# KiCad board tekskey-rounded-num.kicad_pcb
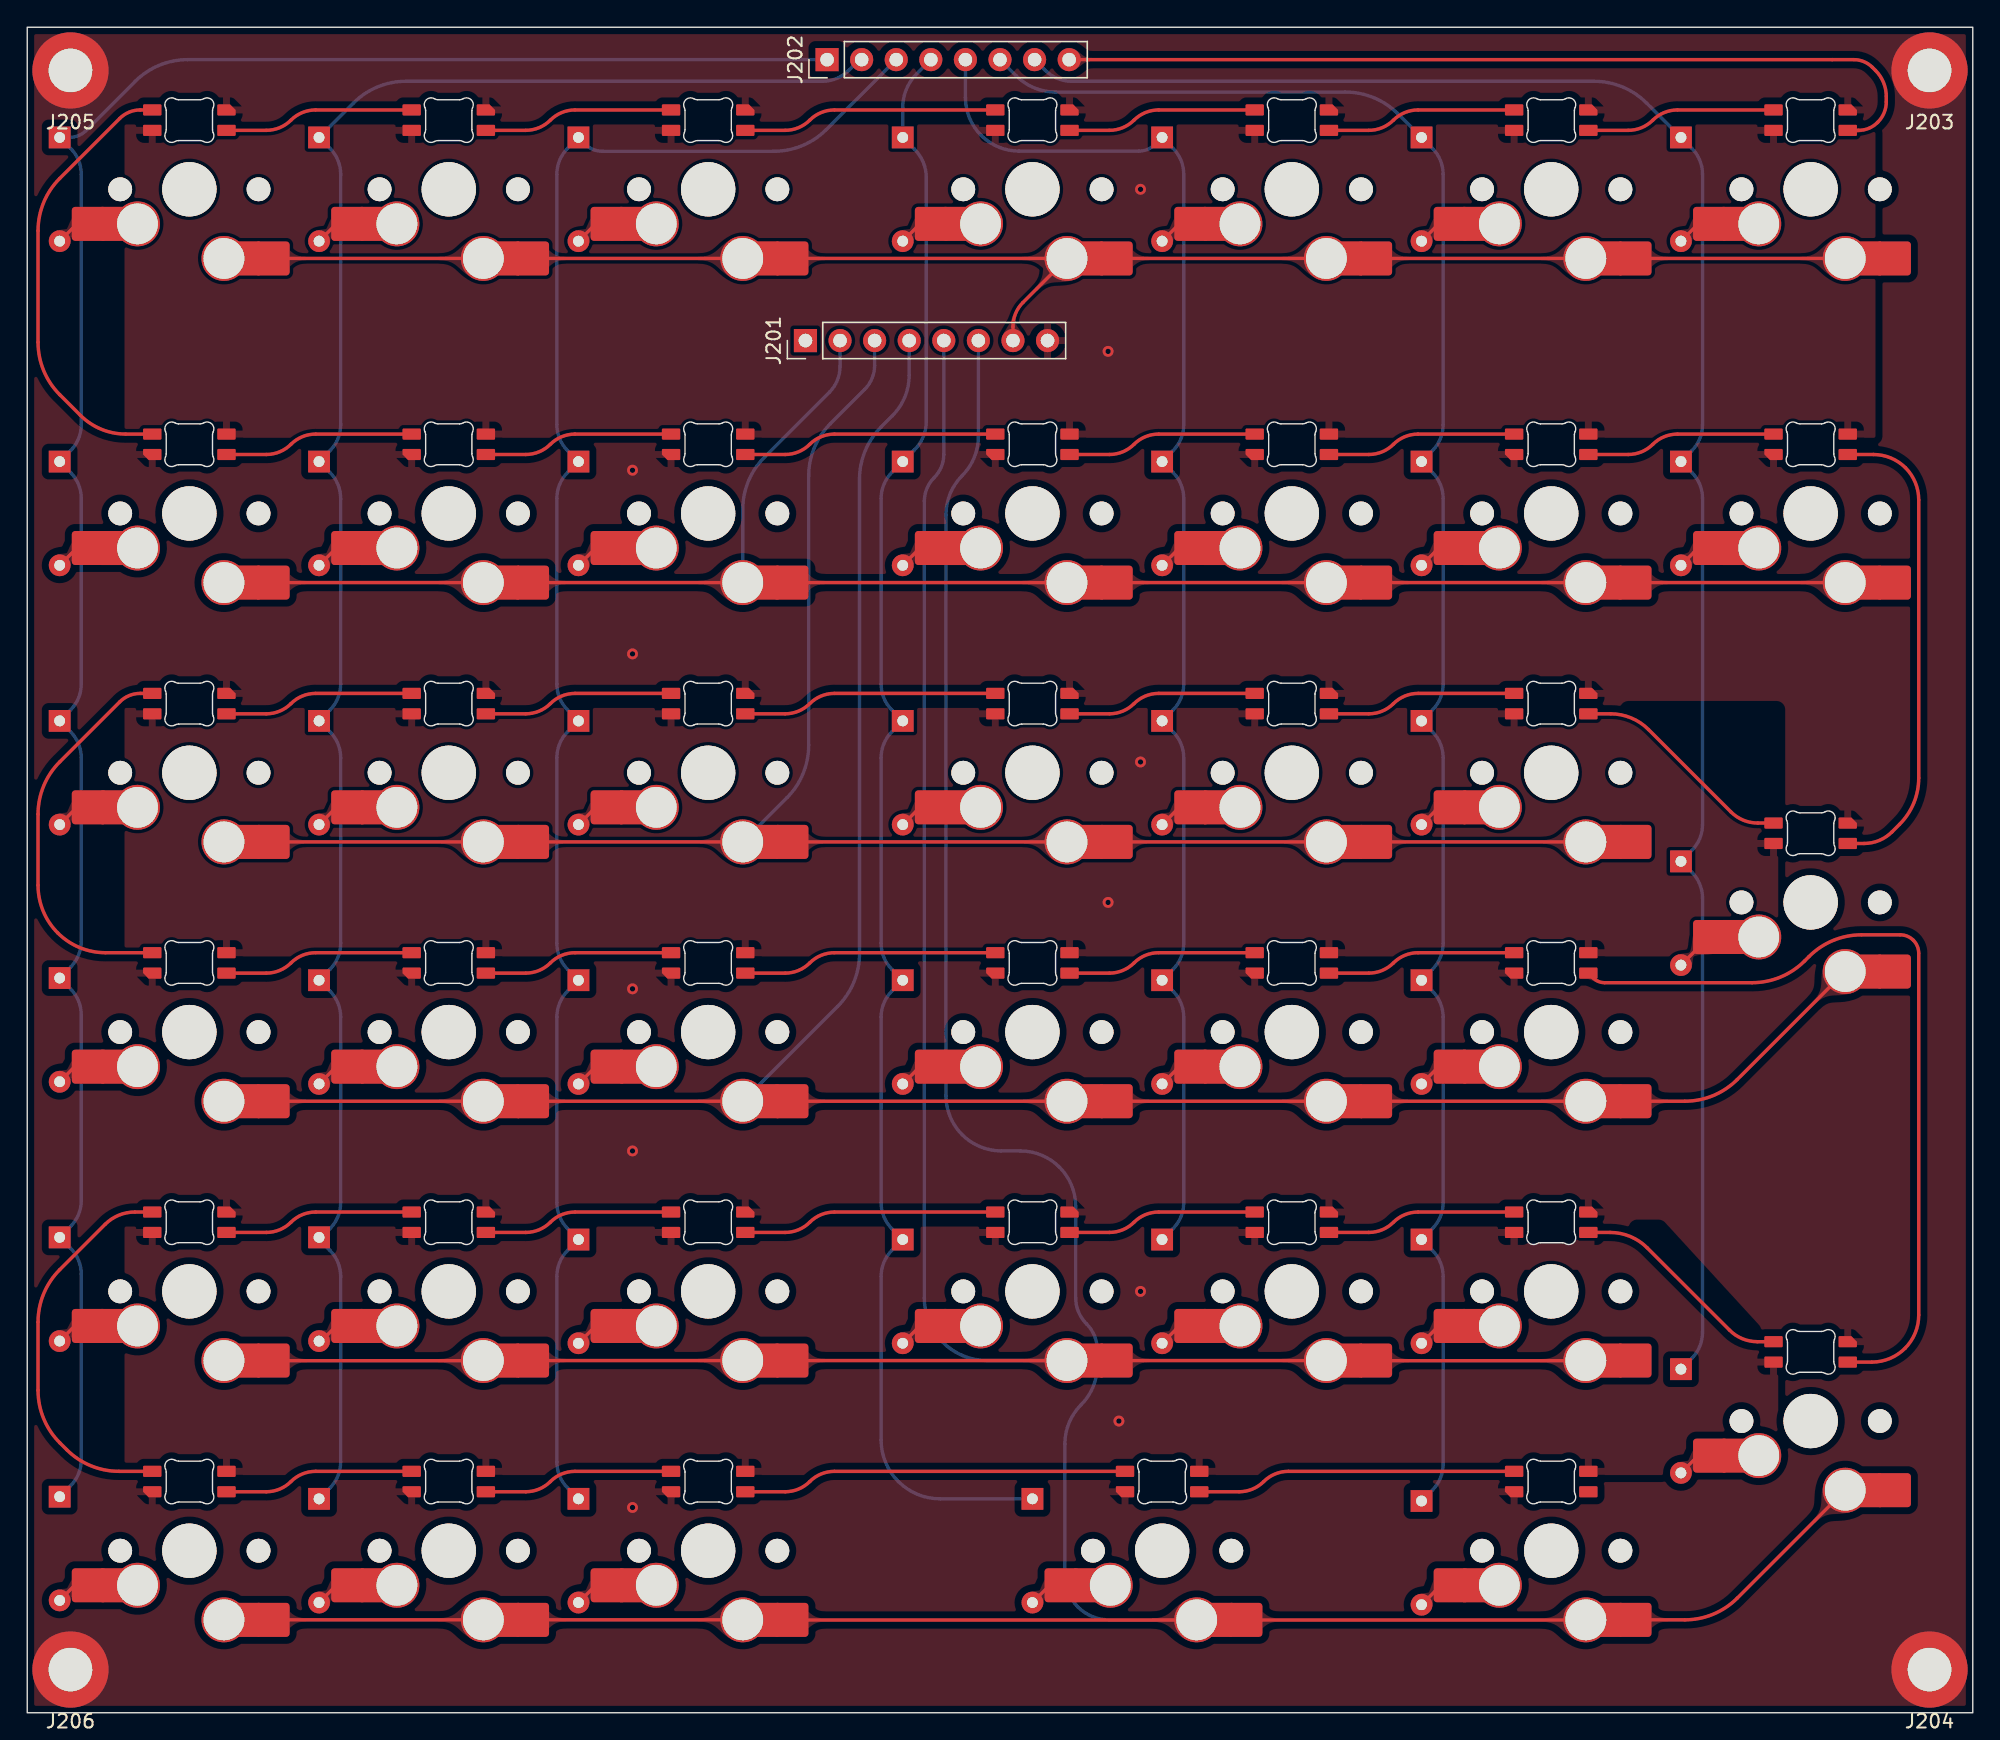
[diagram p0: board, top side]
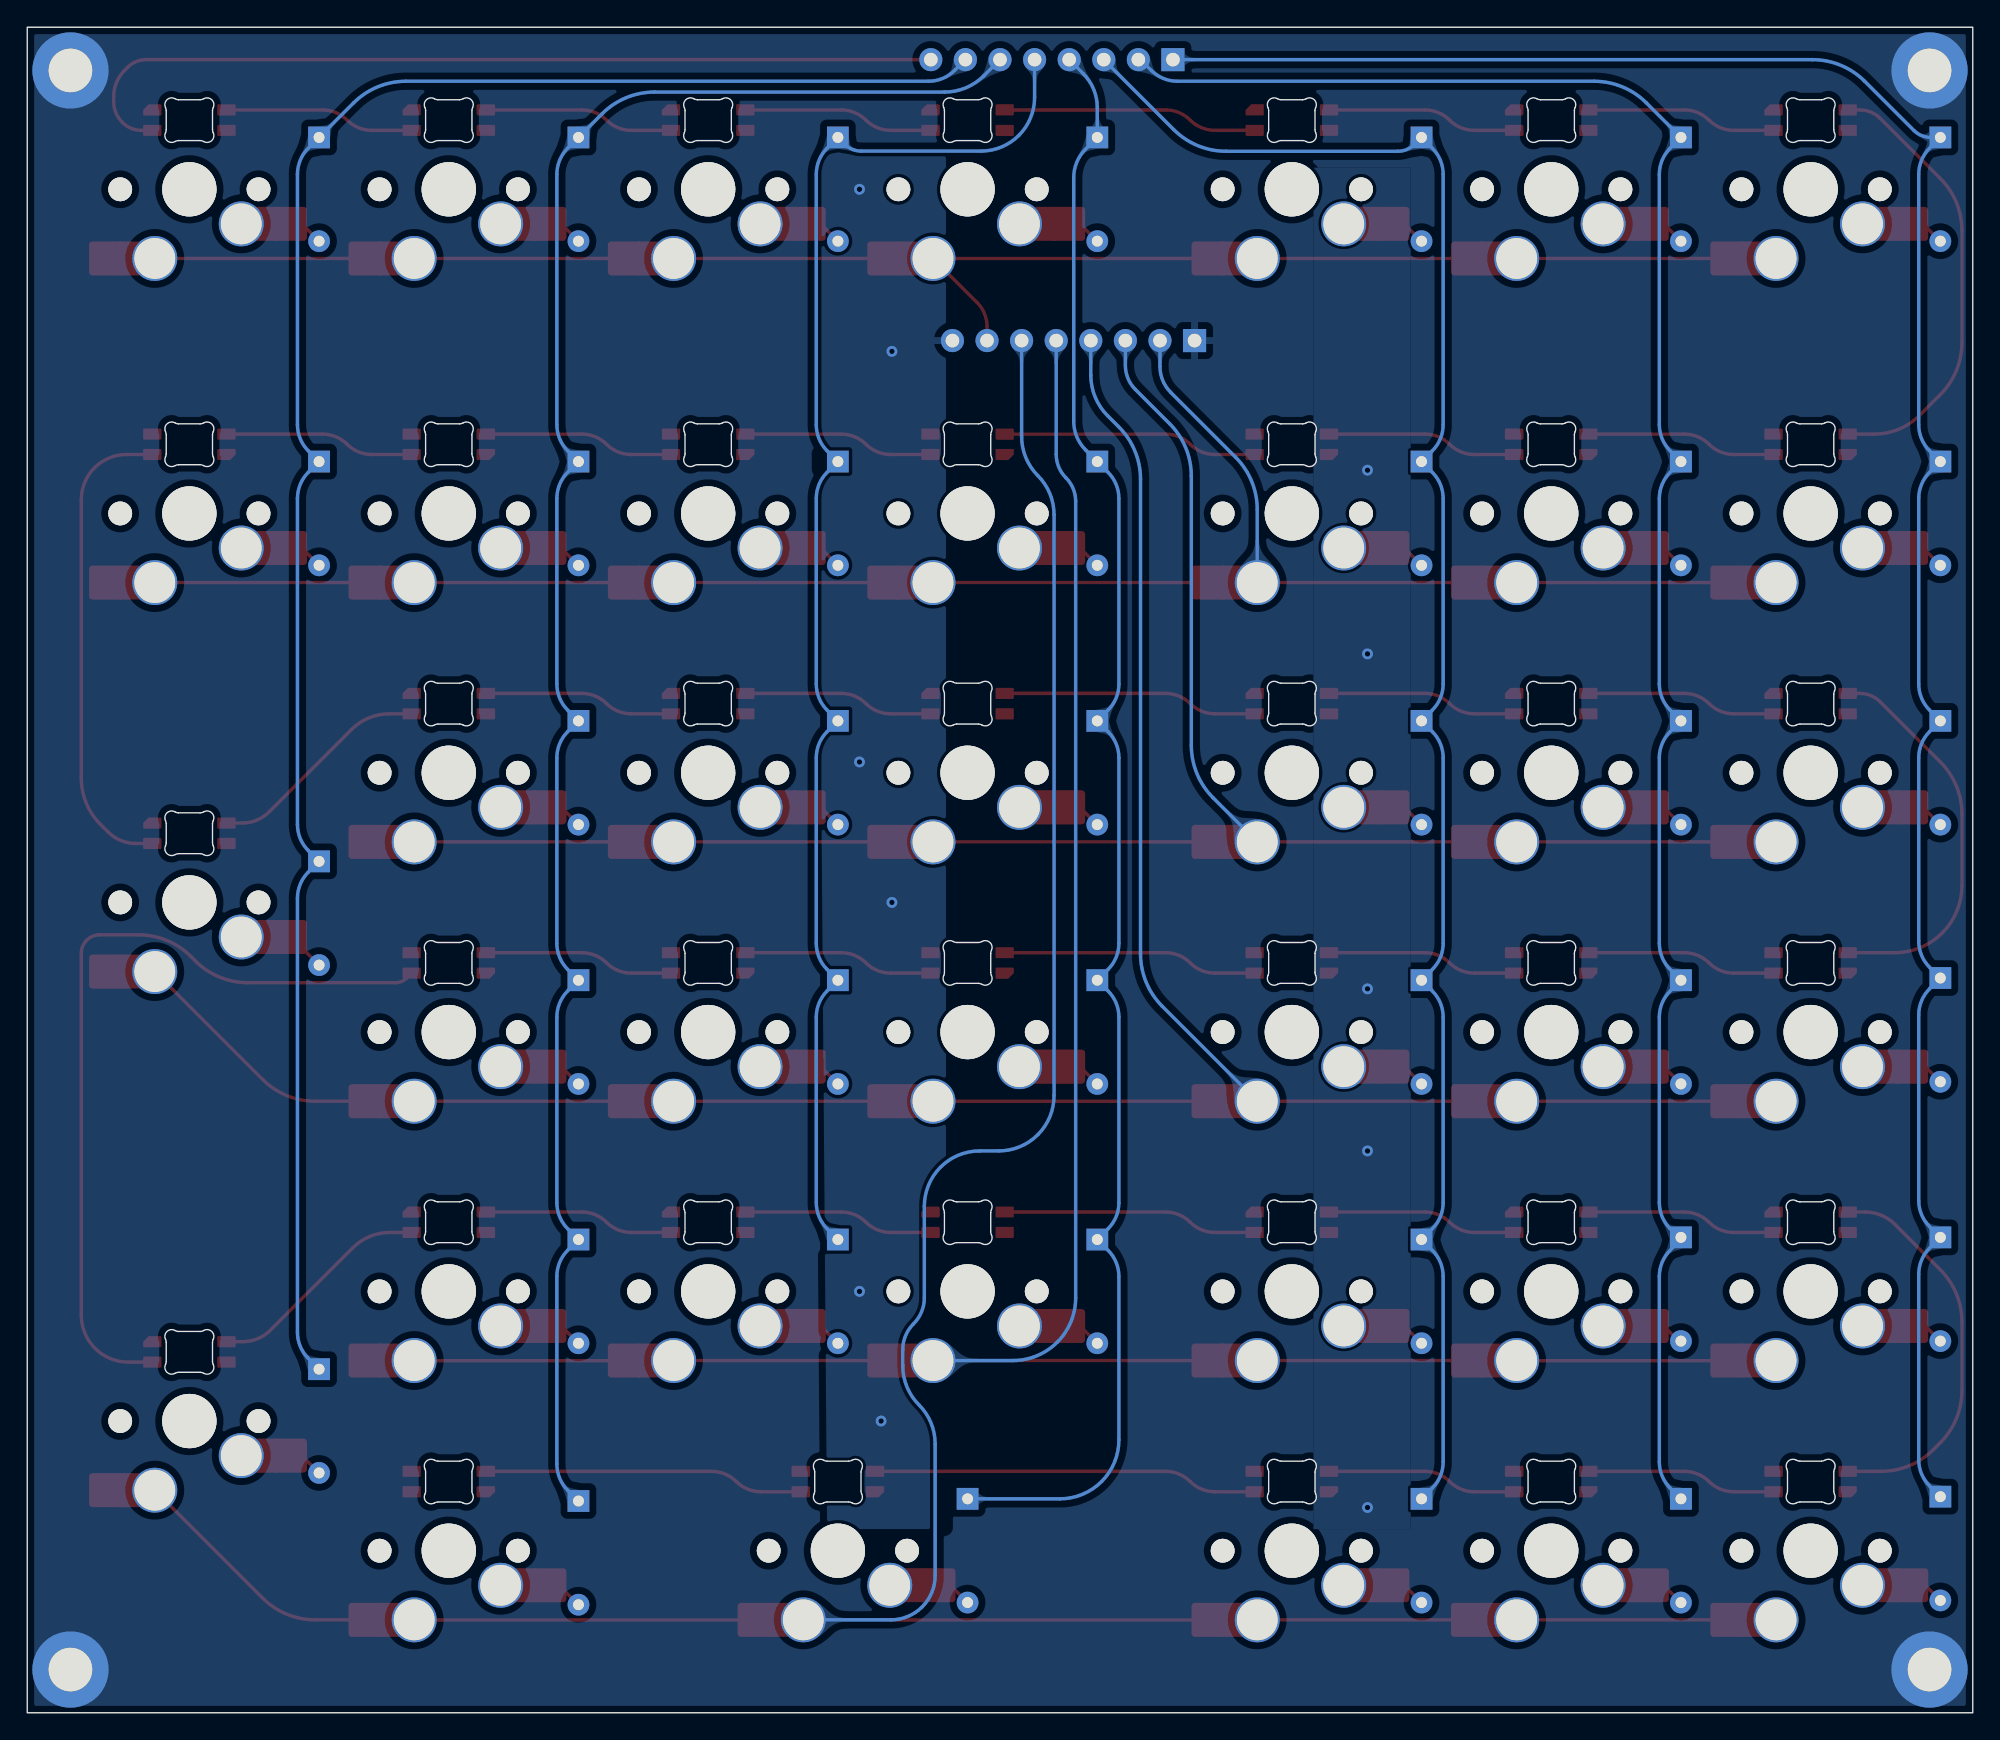
[diagram p1: board, bottom side, seen from below]

Outline 142.88 x 123.83 mm; copper layers: Top, Bottom. Coordinates in mm from the lower left corner of the outline.
Outline path: rectangle 0,123.83 142.88,0
Stack: Top 0.035mm / dielectric 1.51mm FR4 er 4.5 / Bottom 0.035mm

## Placement (name value [footprint] x y rotation side)
D201  1N4148  [D_DO-35_SOD27_P7.62mm_Horizontal_NoSilk]  2.38 115.73 270 top
D202  1N4148  [D_DO-35_SOD27_P7.62mm_Horizontal_NoSilk]  21.43 115.73 270 top
D203  1N4148  [D_DO-35_SOD27_P7.62mm_Horizontal_NoSilk]  40.48 115.73 270 top
D204  1N4148  [D_DO-35_SOD27_P7.62mm_Horizontal_NoSilk]  64.29 115.73 270 top
D205  1N4148  [D_DO-35_SOD27_P7.62mm_Horizontal_NoSilk]  83.34 115.73 270 top
D206  1N4148  [D_DO-35_SOD27_P7.62mm_Horizontal_NoSilk]  102.39 115.73 270 top
D207  1N4148  [D_DO-35_SOD27_P7.62mm_Horizontal_NoSilk]  121.44 115.73 270 top
D208  1N4148  [D_DO-35_SOD27_P7.62mm_Horizontal_NoSilk]  2.38 91.92 270 top
D209  1N4148  [D_DO-35_SOD27_P7.62mm_Horizontal_NoSilk]  21.43 91.92 270 top
D210  1N4148  [D_DO-35_SOD27_P7.62mm_Horizontal_NoSilk]  40.48 91.92 270 top
D211  1N4148  [D_DO-35_SOD27_P7.62mm_Horizontal_NoSilk]  64.29 91.92 270 top
D212  1N4148  [D_DO-35_SOD27_P7.62mm_Horizontal_NoSilk]  83.34 91.92 270 top
D213  1N4148  [D_DO-35_SOD27_P7.62mm_Horizontal_NoSilk]  102.39 91.92 270 top
D214  1N4148  [D_DO-35_SOD27_P7.62mm_Horizontal_NoSilk]  121.44 91.92 270 top
D215  1N4148  [D_DO-35_SOD27_P7.62mm_Horizontal_NoSilk]  2.38 72.87 270 top
D216  1N4148  [D_DO-35_SOD27_P7.62mm_Horizontal_NoSilk]  21.43 72.87 270 top
D217  1N4148  [D_DO-35_SOD27_P7.62mm_Horizontal_NoSilk]  40.48 72.87 270 top
D218  1N4148  [D_DO-35_SOD27_P7.62mm_Horizontal_NoSilk]  64.29 72.87 270 top
D219  1N4148  [D_DO-35_SOD27_P7.62mm_Horizontal_NoSilk]  83.34 72.87 270 top
D220  1N4148  [D_DO-35_SOD27_P7.62mm_Horizontal_NoSilk]  102.39 72.87 270 top
D221  1N4148  [D_DO-35_SOD27_P7.62mm_Horizontal_NoSilk]  121.44 62.55 270 top
D222  1N4148  [D_DO-35_SOD27_P7.62mm_Horizontal_NoSilk]  2.38 53.98 270 top
D223  1N4148  [D_DO-35_SOD27_P7.62mm_Horizontal_NoSilk]  21.43 53.82 270 top
D224  1N4148  [D_DO-35_SOD27_P7.62mm_Horizontal_NoSilk]  40.48 53.82 270 top
D225  1N4148  [D_DO-35_SOD27_P7.62mm_Horizontal_NoSilk]  64.29 53.82 270 top
D226  1N4148  [D_DO-35_SOD27_P7.62mm_Horizontal_NoSilk]  83.34 53.82 270 top
D227  1N4148  [D_DO-35_SOD27_P7.62mm_Horizontal_NoSilk]  102.39 53.82 270 top
D229  1N4148  [D_DO-35_SOD27_P7.62mm_Horizontal_NoSilk]  2.38 34.93 270 top
D230  1N4148  [D_DO-35_SOD27_P7.62mm_Horizontal_NoSilk]  21.43 34.93 270 top
D231  1N4148  [D_DO-35_SOD27_P7.62mm_Horizontal_NoSilk]  40.48 34.77 270 top
D232  1N4148  [D_DO-35_SOD27_P7.62mm_Horizontal_NoSilk]  64.29 34.77 270 top
D233  1N4148  [D_DO-35_SOD27_P7.62mm_Horizontal_NoSilk]  83.34 34.77 270 top
D234  1N4148  [D_DO-35_SOD27_P7.62mm_Horizontal_NoSilk]  102.39 34.77 270 top
D235  1N4148  [D_DO-35_SOD27_P7.62mm_Horizontal_NoSilk]  121.44 25.24 270 top
D236  1N4148  [D_DO-35_SOD27_P7.62mm_Horizontal_NoSilk]  2.38 15.88 270 top
D237  1N4148  [D_DO-35_SOD27_P7.62mm_Horizontal_NoSilk]  21.43 15.72 270 top
D238  1N4148  [D_DO-35_SOD27_P7.62mm_Horizontal_NoSilk]  40.48 15.72 270 top
D239  1N4148  [D_DO-35_SOD27_P7.62mm_Horizontal_NoSilk]  73.82 15.72 270 top
D241  1N4148  [D_DO-35_SOD27_P7.62mm_Horizontal_NoSilk]  102.39 15.56 270 top
J201  Conn_01x08  [PinHeader_1x08_P2.54mm_Vertical]  57.15 100.81 90 top
J202  Conn_01x08  [PinHeader_1x08_P2.54mm_Vertical]  58.74 121.44 90 top
J203  Conn_01x01_Male  [MountingHole_3.2mm_M3_DIN965_Pad]  139.7 120.65 180 top
J204  Conn_01x01_Male  [MountingHole_3.2mm_M3_DIN965_Pad]  139.7 3.18 180 top
J205  Conn_01x01_Male  [MountingHole_3.2mm_M3_DIN965_Pad]  3.18 120.65 180 top
J206  Conn_01x01_Male  [MountingHole_3.2mm_M3_DIN965_Pad]  3.18 3.18 180 top
LED201  MX_SK6812MINI-E  [LED_MX_6028R]  11.91 117 180 top
LED202  MX_SK6812MINI-E  [LED_MX_6028R]  30.96 117 180 top
LED203  MX_SK6812MINI-E  [LED_MX_6028R]  50.01 117 180 top
LED204  MX_SK6812MINI-E  [LED_MX_6028R]  73.82 117 180 top
LED205  MX_SK6812MINI-E  [LED_MX_6028R]  92.87 117 180 top
LED206  MX_SK6812MINI-E  [LED_MX_6028R]  111.92 117 180 top
LED207  MX_SK6812MINI-E  [LED_MX_6028R]  130.97 117 180 top
LED208  MX_SK6812MINI-E  [LED_MX_6028R-FLIPPED]  11.91 93.19 180 top
LED209  MX_SK6812MINI-E  [LED_MX_6028R-FLIPPED]  30.96 93.19 180 top
LED210  MX_SK6812MINI-E  [LED_MX_6028R-FLIPPED]  50.01 93.19 180 top
LED211  MX_SK6812MINI-E  [LED_MX_6028R-FLIPPED]  73.82 93.19 180 top
LED212  MX_SK6812MINI-E  [LED_MX_6028R-FLIPPED]  92.87 93.19 180 top
LED213  MX_SK6812MINI-E  [LED_MX_6028R-FLIPPED]  111.92 93.19 180 top
LED214  MX_SK6812MINI-E  [LED_MX_6028R-FLIPPED]  130.97 93.19 180 top
LED215  MX_SK6812MINI-E  [LED_MX_6028R]  11.91 74.14 180 top
LED216  MX_SK6812MINI-E  [LED_MX_6028R]  30.96 74.14 180 top
LED217  MX_SK6812MINI-E  [LED_MX_6028R]  50.01 74.14 180 top
LED218  MX_SK6812MINI-E  [LED_MX_6028R]  73.82 74.14 180 top
LED219  MX_SK6812MINI-E  [LED_MX_6028R]  92.87 74.14 180 top
LED220  MX_SK6812MINI-E  [LED_MX_6028R]  111.92 74.14 180 top
LED221  MX_SK6812MINI-E  [LED_MX_6028R]  130.97 64.61 180 top
LED222  MX_SK6812MINI-E  [LED_MX_6028R-FLIPPED]  11.91 55.09 180 top
LED223  MX_SK6812MINI-E  [LED_MX_6028R-FLIPPED]  30.96 55.09 180 top
LED224  MX_SK6812MINI-E  [LED_MX_6028R-FLIPPED]  50.01 55.09 180 top
LED225  MX_SK6812MINI-E  [LED_MX_6028R-FLIPPED]  73.82 55.09 180 top
LED226  MX_SK6812MINI-E  [LED_MX_6028R-FLIPPED]  92.87 55.09 180 top
LED227  MX_SK6812MINI-E  [LED_MX_6028R-FLIPPED]  111.92 55.09 180 top
LED229  MX_SK6812MINI-E  [LED_MX_6028R]  11.91 36.04 180 top
LED230  MX_SK6812MINI-E  [LED_MX_6028R]  30.96 36.04 180 top
LED231  MX_SK6812MINI-E  [LED_MX_6028R]  50.01 36.04 180 top
LED232  MX_SK6812MINI-E  [LED_MX_6028R]  73.82 36.04 180 top
LED233  MX_SK6812MINI-E  [LED_MX_6028R]  92.87 36.04 180 top
LED234  MX_SK6812MINI-E  [LED_MX_6028R]  111.92 36.04 180 top
LED235  MX_SK6812MINI-E  [LED_MX_6028R]  130.97 26.51 180 top
LED236  MX_SK6812MINI-E  [LED_MX_6028R-FLIPPED]  11.91 16.99 180 top
LED237  MX_SK6812MINI-E  [LED_MX_6028R-FLIPPED]  30.96 16.99 180 top
LED238  MX_SK6812MINI-E  [LED_MX_6028R-FLIPPED]  50.01 16.99 180 top
LED239  MX_SK6812MINI-E  [LED_MX_6028R-FLIPPED]  83.34 16.99 180 top
LED241  MX_SK6812MINI-E  [LED_MX_6028R-FLIPPED]  111.92 16.99 180 top
SW201  MX_SW_HS  [SW_MX_HS_1u]  11.91 111.92 180 top
SW202  MX_SW_HS  [SW_MX_HS_1u]  30.96 111.92 180 top
SW203  MX_SW_HS  [SW_MX_HS_1u]  50.01 111.92 180 top
SW204  MX_SW_HS  [SW_MX_HS_1u]  73.82 111.92 180 top
SW205  MX_SW_HS  [SW_MX_HS_1u]  92.87 111.92 180 top
SW206  MX_SW_HS  [SW_MX_HS_1u]  111.92 111.92 180 top
SW207  MX_SW_HS  [SW_MX_HS_1u]  130.97 111.92 180 top
SW208  MX_SW_HS  [SW_MX_HS_1u]  11.91 88.11 180 top
SW209  MX_SW_HS  [SW_MX_HS_1u]  30.96 88.11 180 top
SW210  MX_SW_HS  [SW_MX_HS_1u]  50.01 88.11 180 top
SW211  MX_SW_HS  [SW_MX_HS_1u]  73.82 88.11 180 top
SW212  MX_SW_HS  [SW_MX_HS_1u]  92.87 88.11 180 top
SW213  MX_SW_HS  [SW_MX_HS_1u]  111.92 88.11 180 top
SW214  MX_SW_HS  [SW_MX_HS_1u]  130.97 88.11 180 top
SW215  MX_SW_HS  [SW_MX_HS_1u]  11.91 69.06 180 top
SW216  MX_SW_HS  [SW_MX_HS_1u]  30.96 69.06 180 top
SW217  MX_SW_HS  [SW_MX_HS_1u]  50.01 69.06 180 top
SW218  MX_SW_HS  [SW_MX_HS_1u]  73.82 69.06 180 top
SW219  MX_SW_HS  [SW_MX_HS_1u]  92.87 69.06 180 top
SW220  MX_SW_HS  [SW_MX_HS_1u]  111.92 69.06 180 top
SW221  MX_SW_HS  [SW_MX_HS_1u]  130.97 59.53 180 top
SW222  MX_SW_HS  [SW_MX_HS_1u]  11.91 50.01 180 top
SW223  MX_SW_HS  [SW_MX_HS_1u]  30.96 50.01 180 top
SW224  MX_SW_HS  [SW_MX_HS_1u]  50.01 50.01 180 top
SW225  MX_SW_HS  [SW_MX_HS_1u]  73.82 50.01 180 top
SW226  MX_SW_HS  [SW_MX_HS_1u]  92.87 50.01 180 top
SW227  MX_SW_HS  [SW_MX_HS_1u]  111.92 50.01 180 top
SW229  MX_SW_HS  [SW_MX_HS_1u]  11.91 30.96 180 top
SW230  MX_SW_HS  [SW_MX_HS_1u]  30.96 30.96 180 top
SW231  MX_SW_HS  [SW_MX_HS_1u]  50.01 30.96 180 top
SW232  MX_SW_HS  [SW_MX_HS_1u]  73.82 30.96 180 top
SW233  MX_SW_HS  [SW_MX_HS_1u]  92.87 30.96 180 top
SW234  MX_SW_HS  [SW_MX_HS_1u]  111.92 30.96 180 top
SW235  MX_SW_HS  [SW_MX_HS_1u]  130.97 21.43 180 top
SW236  MX_SW_HS  [SW_MX_HS_1u]  11.91 11.91 180 top
SW237  MX_SW_HS  [SW_MX_HS_1u]  30.96 11.91 180 top
SW238  MX_SW_HS  [SW_MX_HS_1u]  50.01 11.91 180 top
SW239  MX_SW_HS  [SW_MX_HS_1u]  83.34 11.91 180 top
SW241  MX_SW_HS  [SW_MX_HS_1u]  111.92 11.91 180 top

## Library data of the parts
LED201-LED227 LED229-LED239 LED241 = -: Field4: 1

## Footprints (pads in the part's own frame, mm; a bottom-side part is the same pattern mirrored in y, then rotated)
D_DO-35_SOD27_P7.62mm_Horizontal_NoSilk
  rect 1.6x1.6 hole 0.8: 1(0,0)
  oval 1.6x1.6 hole 0.8: 2(7.62,0)
LED_MX_6028R
  rrect 1.35x0.82 smd: 1(2.725,0.75) 2(2.725,-0.75) 3(-2.725,0.75) 4(-2.725,-0.75)
LED_MX_6028R-FLIPPED
  rrect 1.35x0.82 smd: 1(-2.725,-0.75) 2(-2.725,0.75) 3(2.725,-0.75) 4(2.725,0.75)
MountingHole_3.2mm_M3_DIN965_Pad
  round 5.6 hole 3.2: 1(0,0)
PinHeader_1x08_P2.54mm_Vertical
  rect 1.7x1.7 hole 1: 1(0,0)
  oval 1.7x1.7 hole 1: 2(0,-2.54) 3(0,-5.08) 4(0,-7.62) 5(0,-10.16) 6(0,-12.7) 7(0,-15.24) 8(0,-17.78)
SW_MX_HS_1u
  round 1.75 hole 1.75 unplated: (-5.08,0) (5.08,0)
  round 3.988 hole 3.988 unplated: (0,0)
  round 3.3 hole 3: 1(3.81,2.54) 2(-2.54,5.08)
  rect 1.65x2.5 smd: 1(5.635,2.54) 2(-4.34,5.08)
  rrect 2.55x2.5 smd: 1(7.36,2.54) 2(-6.09,5.08)

## Nets
+5VA: J201.8 LED201.1 LED202.1 LED203.1 LED204.1 LED205.1 LED206.1 LED207.1 LED208.1 LED209.1 LED210.1 LED211.1 LED212.1 LED213.1 LED214.1 LED215.1 LED216.1 LED217.1 LED218.1 LED219.1 LED220.1 LED221.1 LED222.1 LED223.1 LED224.1 LED225.1 LED226.1 LED227.1 LED229.1 LED230.1 LED231.1 LED232.1 LED233.1 LED234.1 LED235.1 LED236.1 LED237.1 LED238.1 LED239.1 LED241.1
GND1: J201.1 J203.1 J204.1 J205.1 J206.1 LED201.4 LED202.4 LED203.4 LED204.4 LED205.4 LED206.4 LED207.4 LED208.4 LED209.4 LED210.4 LED211.4 LED212.4 LED213.4 LED214.4 LED215.4 LED216.4 LED217.4 LED218.4 LED219.4 LED220.4 LED221.4 LED222.4 LED223.4 LED224.4 LED225.4 LED226.4 LED227.4 LED229.4 LED230.4 LED231.4 LED232.4 LED233.4 LED234.4 LED235.4 LED236.4 LED237.4 LED238.4 LED239.4 LED241.4
ncol0: D201.1 D208.1 D215.1 D222.1 D229.1 D236.1 J202.1
ncol1: D202.1 D209.1 D216.1 D223.1 D230.1 D237.1 J202.2
ncol2: D203.1 D210.1 D217.1 D224.1 D231.1 D238.1 J202.3
ncol3: D204.1 D211.1 D218.1 D225.1 D232.1 D239.1 J202.4
ncol4: D205.1 D212.1 D219.1 D226.1 D233.1 J202.5
ncol5: D206.1 D213.1 D220.1 D227.1 D234.1 D241.1 J202.6
ncol6: D207.1 D214.1 D221.1 D235.1 J202.7
nLEDIN: J202.8 LED207.3
nrow0: J201.7 SW201.2 SW202.2 SW203.2 SW204.2 SW205.2 SW206.2 SW207.2
nrow1: J201.2 SW208.2 SW209.2 SW210.2 SW211.2 SW212.2 SW213.2 SW214.2
nrow2: J201.3 SW215.2 SW216.2 SW217.2 SW218.2 SW219.2 SW220.2
nrow3: J201.4 SW221.2 SW222.2 SW223.2 SW224.2 SW225.2 SW226.2 SW227.2
nrow4: J201.5 SW229.2 SW230.2 SW231.2 SW232.2 SW233.2 SW234.2
nrow5: J201.6 SW235.2 SW236.2 SW237.2 SW238.2 SW239.2 SW241.2
Net-(D201-Pad2): D201.2 SW201.1
Net-(D202-Pad2): D202.2 SW202.1
Net-(D203-Pad2): D203.2 SW203.1
Net-(D204-Pad2): D204.2 SW204.1
Net-(D205-Pad2): D205.2 SW205.1
Net-(D206-Pad2): D206.2 SW206.1
Net-(D207-Pad2): D207.2 SW207.1
Net-(D208-Pad2): D208.2 SW208.1
Net-(D209-Pad2): D209.2 SW209.1
Net-(D210-Pad2): D210.2 SW210.1
Net-(D211-Pad2): D211.2 SW211.1
Net-(D212-Pad2): D212.2 SW212.1
Net-(D213-Pad2): D213.2 SW213.1
Net-(D214-Pad2): D214.2 SW214.1
Net-(D215-Pad2): D215.2 SW215.1
Net-(D216-Pad2): D216.2 SW216.1
Net-(D217-Pad2): D217.2 SW217.1
Net-(D218-Pad2): D218.2 SW218.1
Net-(D219-Pad2): D219.2 SW219.1
Net-(D220-Pad2): D220.2 SW220.1
Net-(D221-Pad2): D221.2 SW221.1
Net-(D222-Pad2): D222.2 SW222.1
Net-(D223-Pad2): D223.2 SW223.1
Net-(D224-Pad2): D224.2 SW224.1
Net-(D225-Pad2): D225.2 SW225.1
Net-(D226-Pad2): D226.2 SW226.1
Net-(D227-Pad2): D227.2 SW227.1
Net-(D229-Pad2): D229.2 SW229.1
Net-(D230-Pad2): D230.2 SW230.1
Net-(D231-Pad2): D231.2 SW231.1
Net-(D232-Pad2): D232.2 SW232.1
Net-(D233-Pad2): D233.2 SW233.1
Net-(D234-Pad2): D234.2 SW234.1
Net-(D235-Pad2): D235.2 SW235.1
Net-(D236-Pad2): D236.2 SW236.1
Net-(D237-Pad2): D237.2 SW237.1
Net-(D238-Pad2): D238.2 SW238.1
Net-(D239-Pad2): D239.2 SW239.1
Net-(D241-Pad2): D241.2 SW241.1
Net-(LED201-Pad2): LED201.2 LED208.3
Net-(LED201-Pad3): LED201.3 LED202.2
Net-(LED202-Pad3): LED202.3 LED203.2
Net-(LED203-Pad3): LED203.3 LED204.2
Net-(LED204-Pad3): LED204.3 LED205.2
Net-(LED205-Pad3): LED205.3 LED206.2
Net-(LED206-Pad3): LED206.3 LED207.2
Net-(LED208-Pad2): LED208.2 LED209.3
Net-(LED209-Pad2): LED209.2 LED210.3
Net-(LED210-Pad2): LED210.2 LED211.3
Net-(LED211-Pad2): LED211.2 LED212.3
Net-(LED212-Pad2): LED212.2 LED213.3
Net-(LED213-Pad2): LED213.2 LED214.3
Net-(LED214-Pad2): LED214.2 LED221.3
Net-(LED215-Pad2): LED215.2 LED222.3
Net-(LED215-Pad3): LED215.3 LED216.2
Net-(LED216-Pad3): LED216.3 LED217.2
Net-(LED217-Pad3): LED217.3 LED218.2
Net-(LED218-Pad3): LED218.3 LED219.2
Net-(LED219-Pad3): LED219.3 LED220.2
Net-(LED220-Pad3): LED220.3 LED221.2
Net-(LED222-Pad2): LED222.2 LED223.3
Net-(LED223-Pad2): LED223.2 LED224.3
Net-(LED224-Pad2): LED224.2 LED225.3
Net-(LED225-Pad2): LED225.2 LED226.3
Net-(LED226-Pad2): LED226.2 LED227.3
Net-(LED227-Pad2): LED227.2 LED235.3
Net-(LED229-Pad2): LED229.2 LED236.3
Net-(LED229-Pad3): LED229.3 LED230.2
Net-(LED230-Pad3): LED230.3 LED231.2
Net-(LED231-Pad3): LED231.3 LED232.2
Net-(LED232-Pad3): LED232.3 LED233.2
Net-(LED233-Pad3): LED233.3 LED234.2
Net-(LED234-Pad3): LED234.3 LED235.2
Net-(LED236-Pad2): LED236.2 LED237.3
Net-(LED237-Pad2): LED237.2 LED238.3
Net-(LED238-Pad2): LED238.2 LED239.3
Net-(LED239-Pad2): LED239.2 LED241.3

Pads without a net: LED241 2

## Via types
v1: diameter 0.8, hole 0.4, Top to Bottom, 11 vias

## Routing (per net, layer and track width the routed paths; a pad name or vN(x,y) marks a point on that pad's centre or on a via; arc(x,y) is an arc through that point)
+5VA:
  vias: v1(79.38,100.01) v1(79.38,59.53) v1(80.17,21.43) v1(81.76,111.92) v1(81.76,69.85) v1(81.76,30.96)
GND1:
  vias: v1(44.45,91.28) v1(44.45,77.79) v1(44.45,53.18) v1(44.45,41.28) v1(44.45,15.08)
ncol0: length 162.7
  Bottom w0.25: D236.1 3.18,16.67 arc(3.76,17.55) 3.97,18.59 3.97,32.21 arc(3.76,33.25) 3.18,34.13 D229.1 3.18,35.72 arc(3.76,36.6) 3.97,37.64 3.97,51.26 arc(3.76,52.3) 3.18,53.18 arc(2.85,53.98) 3.18,54.77 arc(3.76,55.65) 3.97,56.69 3.97,70.16 arc(3.76,71.19) 3.18,72.07 arc(2.85,72.87) 3.18,73.66 arc(3.76,74.54) 3.97,75.58 3.97,89.21 arc(3.76,90.24) 3.18,91.12 D208.1 3.18,92.71 arc(3.76,93.59) 3.97,94.63 3.97,113.02 arc(3.76,114.06) 3.18,114.94 D201.1 3.1,115.73 arc(3.76,115.86) 4.32,116.23 7.93,119.85 arc(9.7,121.03) 11.78,121.44 J202.1
ncol1: length 147.1
  Bottom w0.25: D237.1 22.23,16.51 arc(22.81,17.39) 23.02,18.43 23.02,32.06 arc(22.81,33.09) 22.23,33.97 21.43,34.77 22.23,35.56 arc(22.81,36.44) 23.02,37.48 23.02,51.11 arc(22.81,52.14) 22.23,53.02 D223.1 22.23,54.61 arc(22.81,55.49) 23.02,56.53 23.02,70.16 arc(22.81,71.19) 22.23,72.07 D216.1 22.23,73.66 arc(22.81,74.54) 23.02,75.58 23.02,89.21 arc(22.81,90.24) 22.23,91.12 D209.1 22.23,92.71 arc(22.81,93.59) 23.02,94.63 23.02,113.02 arc(22.81,114.06) 22.23,114.94 D202.1 23.96,118.26 arc(25.73,119.44) 27.81,119.86 58.41,119.86 arc(59.45,120.06) 60.32,120.65 61.12,121.44
ncol2: length 130.2
  Bottom w0.25: D238.1 39.69,16.51 arc(39.1,17.39) 38.89,18.43 38.89,32.06 arc(39.1,33.09) 39.69,33.97 D231.1 39.69,35.56 arc(39.1,36.44) 38.89,37.48 38.89,51.11 arc(39.1,52.14) 39.69,53.02 arc(40.02,53.82) 39.69,54.61 arc(39.1,55.49) 38.89,56.53 38.89,70.16 arc(39.1,71.19) 39.69,72.07 arc(40.02,72.87) 39.69,73.66 arc(39.1,74.54) 38.89,75.58 38.89,89.21 arc(39.1,90.24) 39.69,91.12 arc(40.02,91.92) 39.69,92.71 arc(39.1,93.59) 38.89,94.63 38.89,113.02 arc(39.1,114.06) 39.69,114.94 D203.1 40.99,115.22 arc(41.55,114.84) 42.22,114.71 54.83,114.71 arc(56.91,115.13) 58.68,116.3 J202.3
ncol3: length 119.7
  Bottom w0.25: D239.1 67.04,15.72 arc(65.38,16.05) 63.98,16.99 arc(63.04,18.39) 62.71,20.05 62.71,32.06 arc(62.91,33.09) 63.5,33.97 arc(63.83,34.77) 63.5,35.56 arc(62.91,36.44) 62.71,37.48 62.71,51.11 arc(62.91,52.14) 63.5,53.02 arc(63.83,53.82) 63.5,54.61 arc(62.91,55.49) 62.71,56.53 62.71,70.16 arc(62.91,71.19) 63.5,72.07 D218.1 63.5,73.66 arc(62.91,74.54) 62.71,75.58 62.71,89.21 arc(62.91,90.24) 63.5,91.12 65.16,92.78 arc(65.8,93.74) 66.02,94.87 66.02,112.77 arc(65.8,113.9) 65.16,114.86 D204.1 64.29,117.92 arc(64.56,119.27) 65.33,120.41 J202.4
ncol4: length 103.7
  Bottom w0.25: J202.5 68.9,118.67 arc(69.2,117.16) 70.05,115.88 arc(71.33,115.02) 72.84,114.72 81.63,114.72 arc(82.28,114.85) 82.84,115.23 D205.1 84.14,114.94 arc(84.72,114.06) 84.93,113.02 84.93,94.63 arc(84.72,93.59) 84.14,92.71 arc(83.81,91.92) 84.14,91.12 arc(84.72,90.24) 84.93,89.21 84.93,75.58 arc(84.72,74.54) 84.14,73.66 arc(83.81,72.87) 84.14,72.07 arc(84.72,71.19) 84.93,70.16 84.93,56.53 arc(84.72,55.49) 84.14,54.61 arc(83.81,53.82) 84.14,53.02 arc(84.72,52.14) 84.93,51.11 84.93,37.48 arc(84.72,36.44) 84.14,35.56 D233.1
ncol5: length 137
  Bottom w0.25: D241.1 103.19,16.35 arc(103.77,17.23) 103.98,18.27 103.98,32.06 arc(103.77,33.09) 103.19,33.97 arc(102.86,34.77) 103.19,35.56 arc(103.77,36.44) 103.98,37.48 103.98,51.11 arc(103.77,52.14) 103.19,53.02 arc(102.86,53.82) 103.19,54.61 arc(103.77,55.49) 103.98,56.53 103.98,70.16 arc(103.77,71.19) 103.19,72.07 arc(102.86,72.87) 103.19,73.66 arc(103.77,74.54) 103.98,75.58 103.98,89.21 arc(103.77,90.24) 103.19,91.12 D213.1 103.19,92.71 arc(103.77,93.59) 103.98,94.63 103.98,113.02 arc(103.77,114.06) 103.19,114.94 D206.1 100.65,117.47 arc(98.89,118.65) 96.81,119.06 75.5,119.06 arc(73.95,119.37) 72.63,120.25 J202.6
ncol6: length 142.3
  Bottom w0.25: J202.7 74.77,120.65 arc(75.65,120.06) 76.69,119.86 115.06,119.86 arc(117.14,119.44) 118.91,118.26 D207.1 122.24,114.94 arc(122.82,114.06) 123.03,113.02 123.03,94.63 arc(122.82,93.59) 122.24,92.71 arc(121.91,91.92) 122.24,91.12 arc(122.82,90.24) 123.03,89.21 123.03,65.26 arc(122.82,64.22) 122.24,63.34 arc(121.91,62.55) 122.24,61.75 arc(122.82,60.87) 123.03,59.84 123.03,27.95 arc(122.82,26.91) 122.24,26.04 D235.1